# Altium PCB MiroCard.PcbDoc (part 1 of 2)
Units mm, origin at the board's own origin, x right, y up, seen from the top; angles counter-clockwise.
Board outline 65.5 x 35.8 mm, 4 copper layers (Top Layer, GND1, GND2, Bottom Layer), stack 0.552 mm thick; 115 components, 75 nets, 402 pads, 778 vias.
Unrouted connection lines stored in the file: 3.
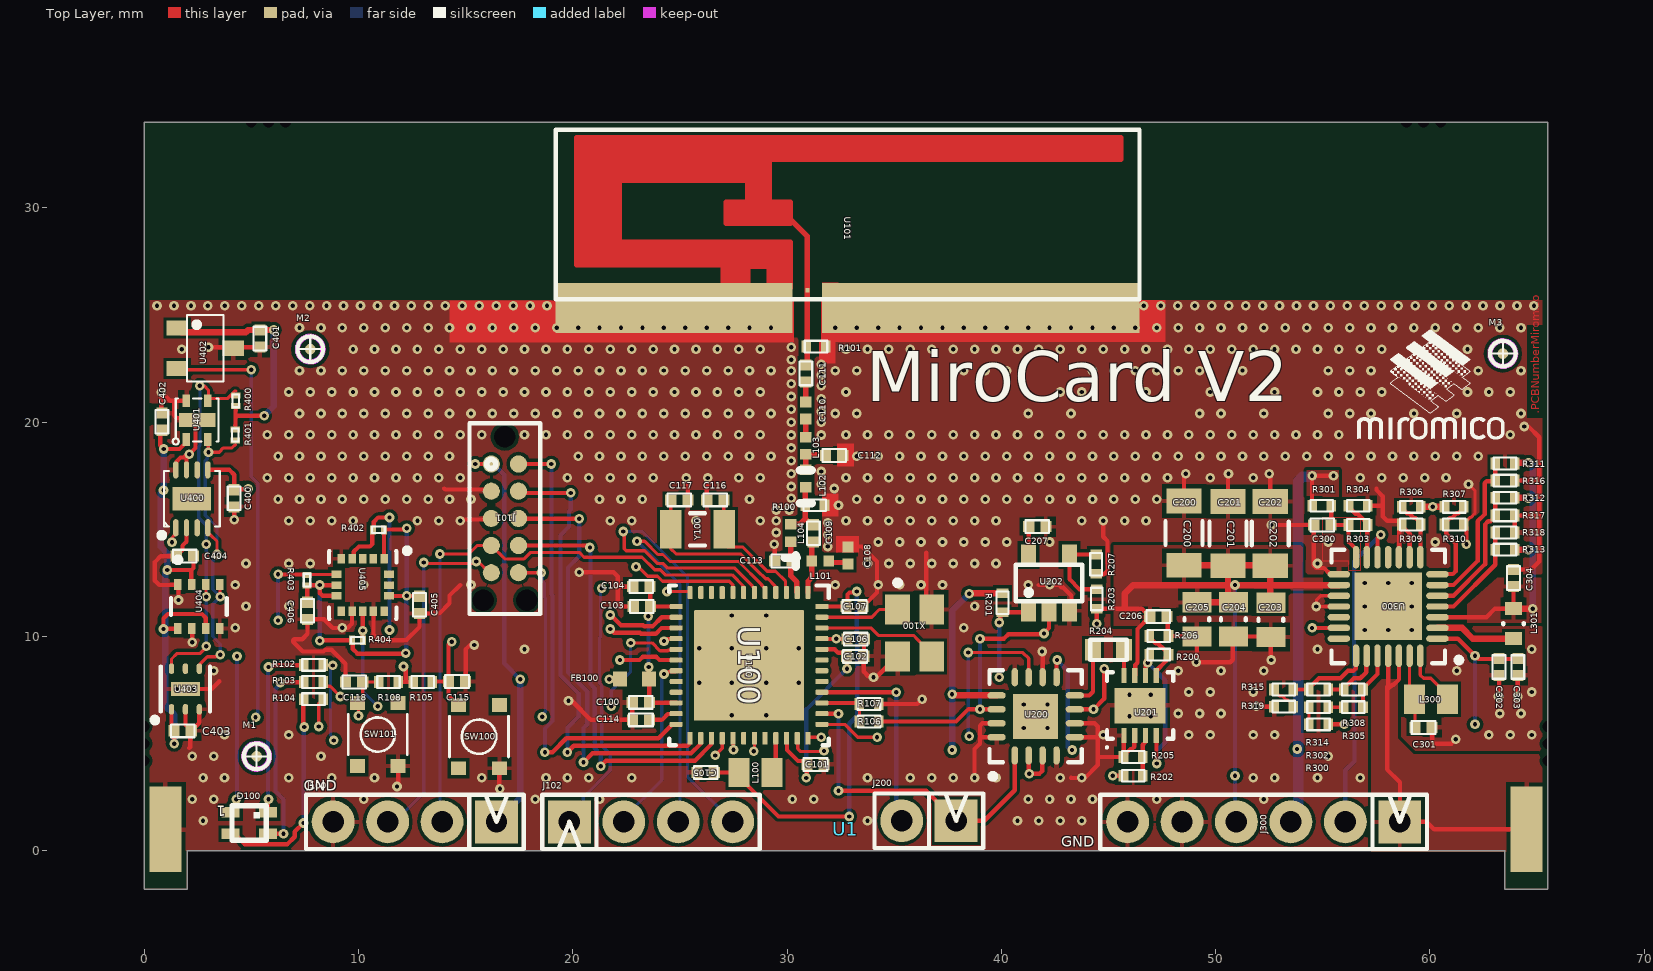
[diagram p0: Top Layer view]
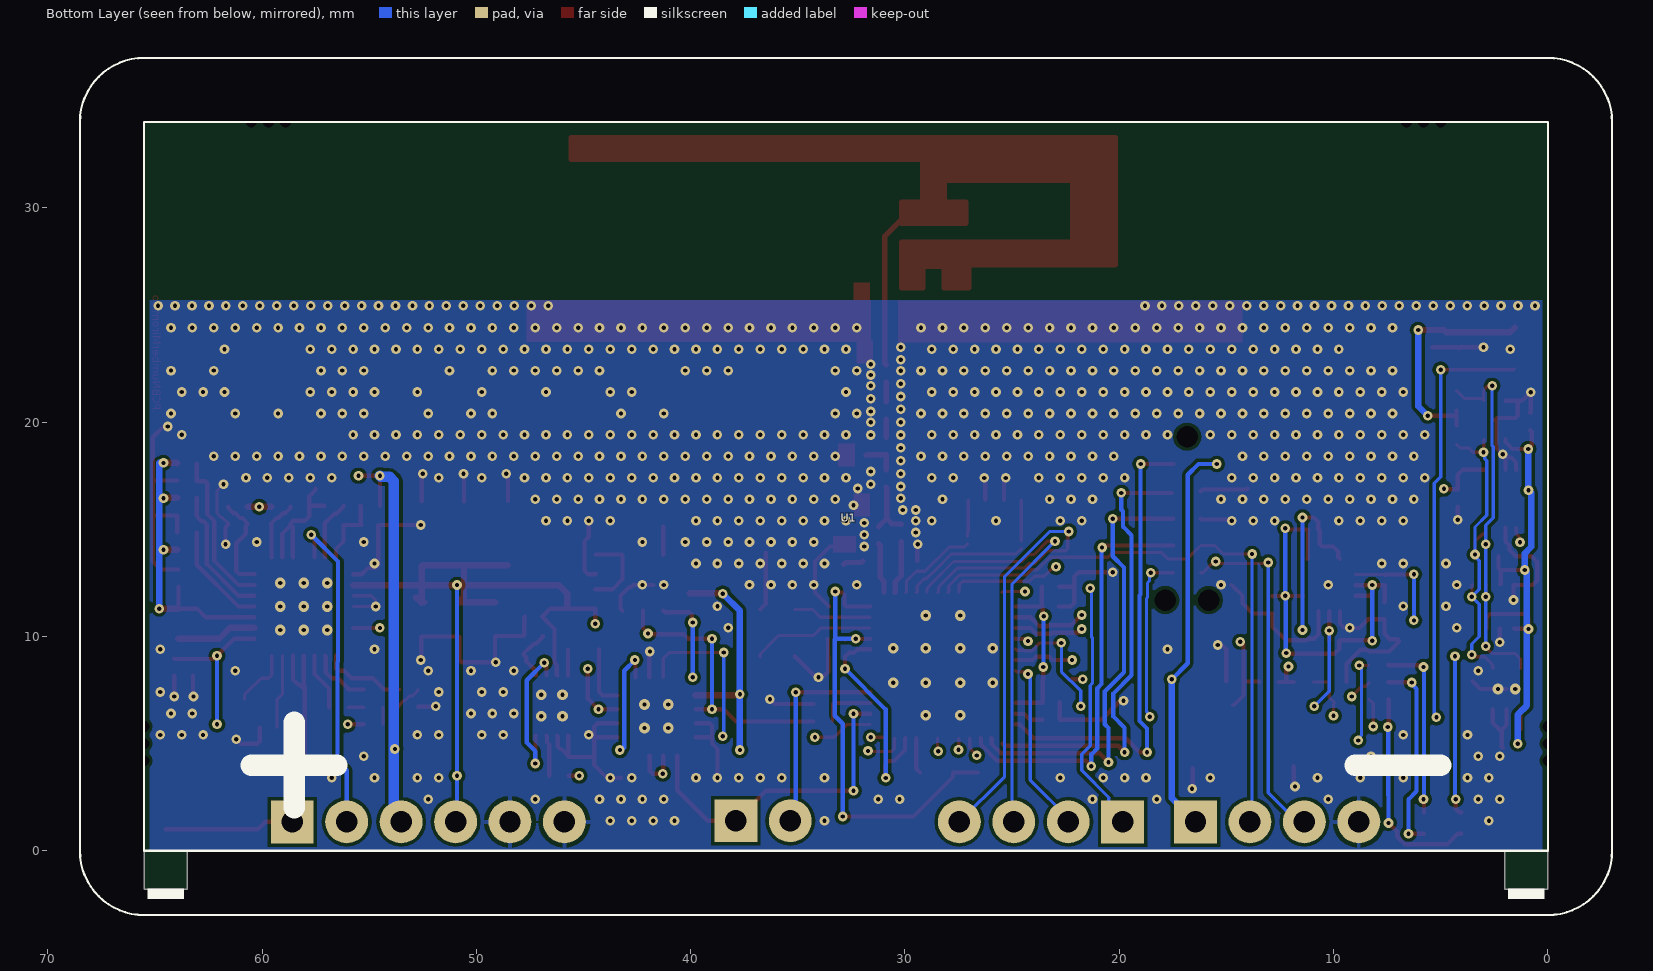
[diagram p1: Bottom Layer view, seen from below]
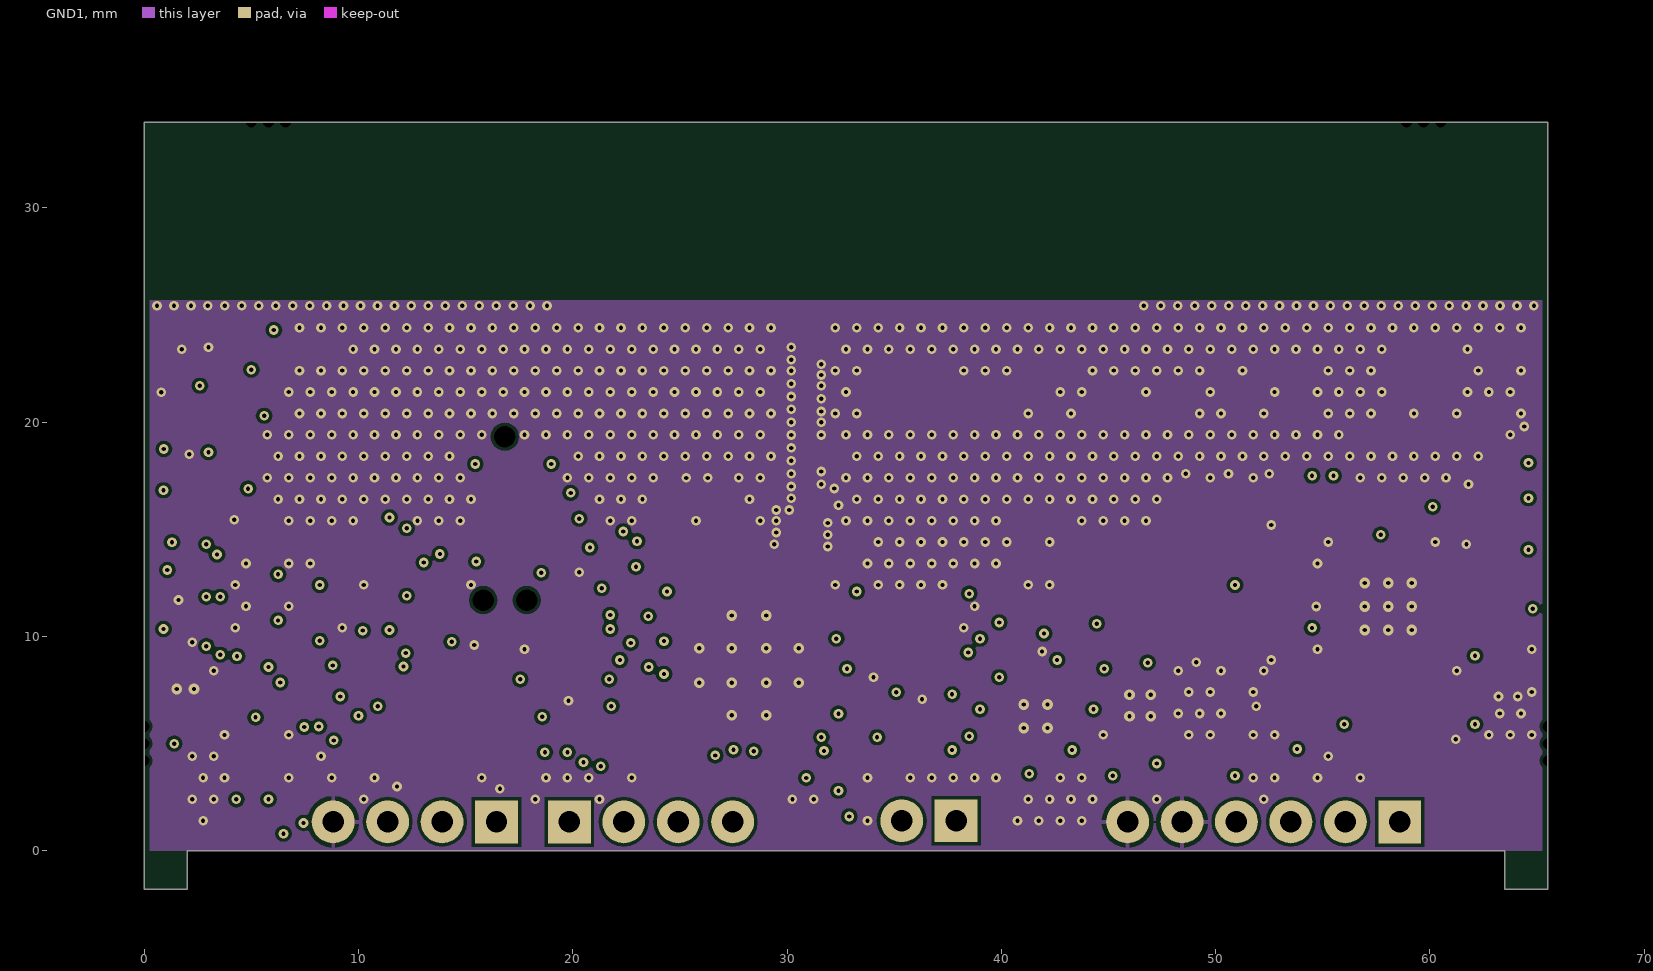
[diagram p2: GND1]
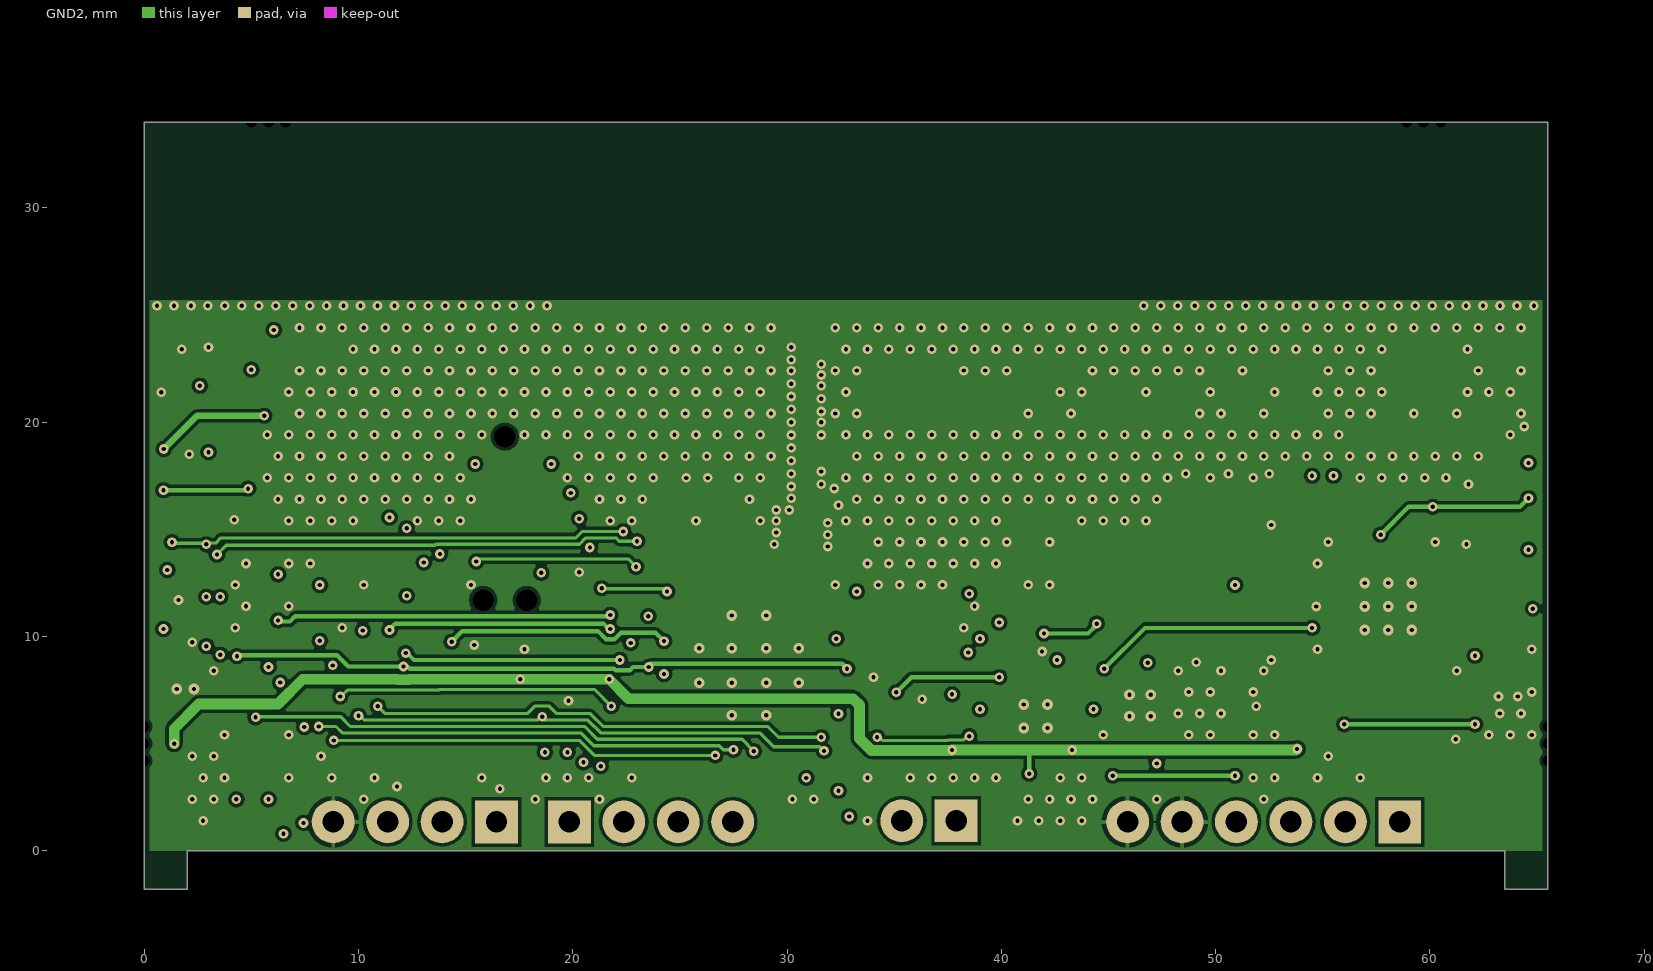
[diagram p3: GND2]
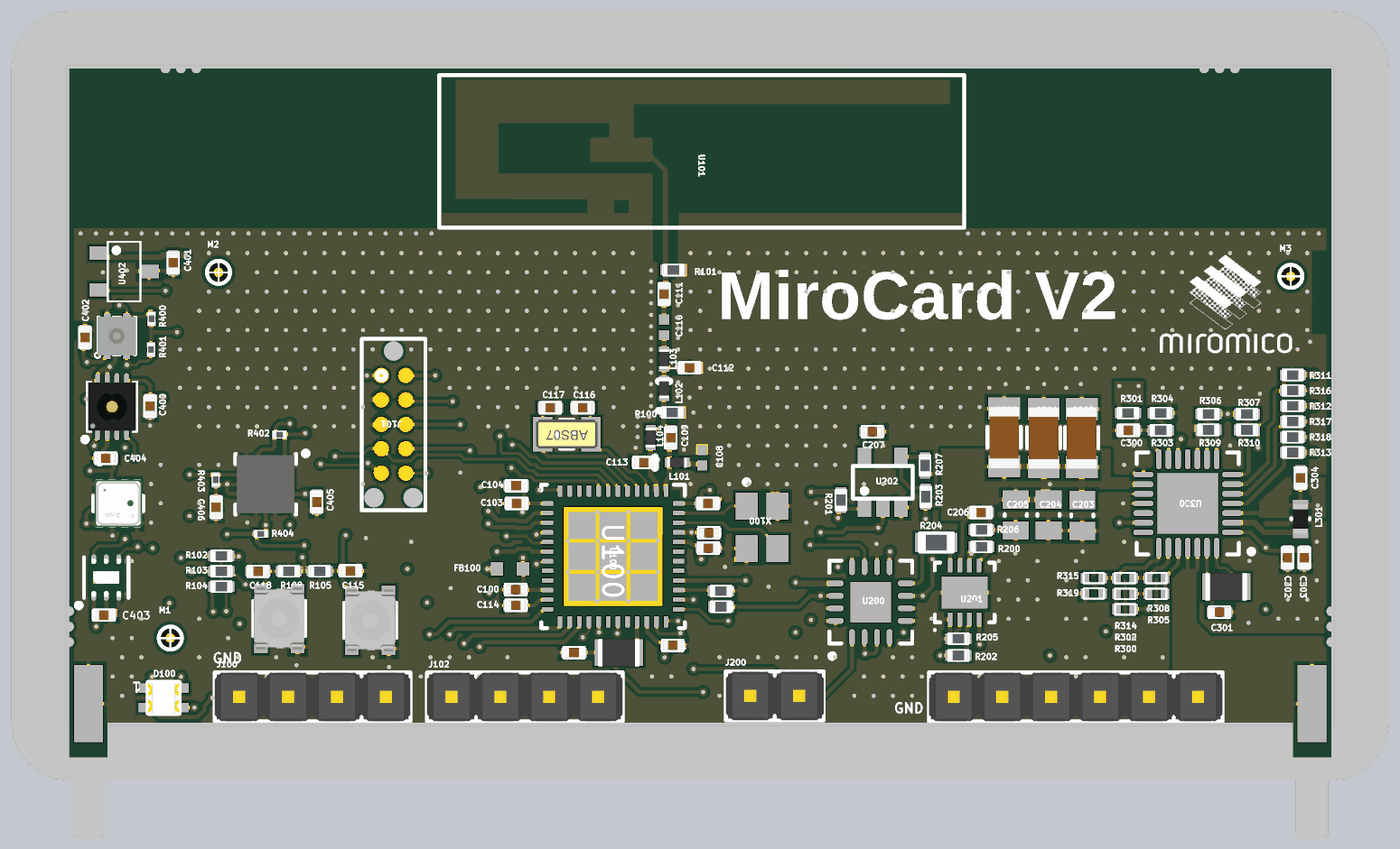
[diagram p5: 3D render of the assembled board from above, using the file's embedded part models]

## Layer stack, top to bottom
Top Solder: solder mask 0.01, Solder Resist, Dk 3.5
Top Layer: signal copper 0.018
Dielectric 1: prepreg 0.07, 1080, Dk 4.6
Dielectric 2: prepreg 0.07, 1080, Dk 4.6
GND1: signal copper 0.018
Core: core 0.2, 1080, Dk 4.6
GND2: signal copper 0.018
Dielectric 3: prepreg 0.07, 1080, Dk 4.6
Dielectric 4: prepreg 0.07, 1080, Dk 4.6
Bottom Layer: signal copper 0.018
Bottom Solder: solder mask 0.01, Solder Resist, Dk 3.5

## Board outline
0,-1.8 0,34 65.5,34 65.5,-1.8 63.5,-1.8 63.5,0 2,0 2,-1.8

## Design rules (kind name [scope] priority, off if disabled: settings)
BoardOutlineClearance BoardOutlineClearance_Seperator [All] p1: gap=0 ignorepadtopadclearanceinfootprint=FALSE
BoardOutlineClearance [Not OnLayer('Top Overlay', 'Bottom Overlay', 'Mechanical 15')] p2: gap=0.2 ignorepadtopadclearanceinfootprint=FALSE
Clearance [All] p1: gap=0.15 ignorepadtopadclearanceinfootprint=FALSE
ComponentClearance [Not InComponent('U1','J100','J102', 'J200', 'J300')] p1: gap=0.25 collisioncheckmode=3 verticalgap=0.25 showdistances=FALSE
HoleSize [All] p1: absolutevalues=TRUE maxlimit=5 minlimit=0.025 maxpercent=80.000 minpercent=20.000
MinimumSolderMaskSliver [All] p1: minsoldermaskwidth=0.09
PlaneClearance [All] p1: clearance=0.25
PlaneConnect PlaneConnect_1 [IsVia] p1: planeconnectstyle=Direct reliefexpansion=0.508 reliefentries=4 reliefconductorwidth=0.254 reliefairgap=0.254
PlaneConnect [All] p2: planeconnectstyle=Relief reliefexpansion=0.254 reliefentries=4 reliefconductorwidth=0.254 reliefairgap=0.254
PolygonConnect PolygonConnect_VIA [IsVia] p1: connectstyle=Direct reliefconductorwidth=0.254 reliefentries=4 polygonreliefangle="90 Angle" airgapwidth=0.254
PolygonConnect [All] p2: connectstyle=Relief reliefconductorwidth=0.2 reliefentries=4 polygonreliefangle="90 Angle" airgapwidth=0.2
RoutingVias [All] p1: holewidth=0.2 width=0.45 viastyle="Through Hole" minholewidth=0.2 minwidth=0.45 maxholewidth=0.2 maxwidth=1
SilkToSilkClearance [All] p1: silktosilkclearance=0
SilkToSolderMaskClearance [All] p1: minsilkscreentomaskgap=0 clearancetoexposedcopper=TRUE
SolderMaskExpansion [All] p1: expansion=0.051
Width Width_ANT [InNetClass('ANT')] p1: maxlimit=0.25 minlimit=0.25 preferedwidth=0.25
Width [All] p2: maxlimit=1 minlimit=0.15 preferedwidth=0.15
23 further rules are at their usual default settings.

## Classes and differential pairs
pad class Seperator: Free-0
component class "00 - Overview": M1 M2 M3 U1
component class U_AEM10941: C300 C301 C302 C303 C304 J300 L300 L301 R300 R301 R302 R303 R304 R305 R306 R307 R308 R309 R310 R311 R312 R313 R314 R315 R316 R317 R318 R319 U300
net class Ant: NetC108_1 NetC109_1 NetC109_2 NetC110_1 NetC110_2 NetC111_1 NetC112_1 NetC113_1
component class Sensors: C400 C401 C402 C403 C404 C405 C406 I2C R400 R401 R402 R403 R404 U400 U401 U402 U403 U404 U405
component class EMU: C200 C201 C202 C203 C204 C205 C206 C207 J200 R200 R201 R202 R203 R204 R205 R206 R207 U200 U201 U202
component class CC2650: C100 C101 C102 C103 C104 C105 C106 C107 C108 C109 C110 C111 C112 C113 C114 C115 C116 C117 C118 D100 FB100 J100 J101 J102 L100 L101 L102 L103 L104 "P5 JTAG" R100 R101 R102 R103 R104 R105 R106 R107 R108 SW100 SW101 U100 U101 X100 Y100

## Components (designator, comment, footprint, x,y, rotation, side; value= is the part's Value field where it differs from the comment)
C100 "GRM155R61C104KA88D" CAPC0402(1005)60_L 23.175,6.925 r180 top
C101 "GRM155R61C104KA88D" CAPC0402(1005)60_L 31.325,4.025 r0 top
C102 "GRM155R61C104KA88D" CAPC0402(1005)60_L 33.175,9.075 r0 top
C103 "GRM155R61C104KA88D" CAPC0402(1005)60_L 23.225,11.4 r180 top
C104 "GRJ155R60J106ME11D" CAPC0402(1005)60_L 23.2,12.325 r180 top
C105 "GRJ155R60J106ME11D" CAPC0402(1005)60_L 26.2,3.65 r180 top
C106 "GRM155R61C104KA88D" CAPC0402(1005)60_L 33.2,9.875 r0 top
C107 "GRM155R61C104KA88D" CAPC0402(1005)60_L 33.15,11.4 r0 top
C108 "CAP 6.8pF 10V 0402(1005)" CAPC0402(1005)60_L 32.85,13.775 r90 top value=6.8pF
C109 "GRM1555C1H1R0BA01D" CAPC0402(1005)60_L 31.225,14.815 r270 top
C110 "CAP 12pF 10V 0402(1005)" CAPC0402(1005)60_L 30.875,20.55 r90 top value=12pF
C111 "GRM1555C1H1R8BA01D" CAPC0402(1005)60_L 30.875,22.275 r270 top
C112 "GRM1555C1H1R0BA01D" CAPC0402(1005)60_L 32.2,18.45 r0 top
C113 "GRM1555C1H1R0BA01D" CAPC0402(1005)60_L 29.825,13.525 r180 top
C114 "GRM155R70J105KA12J" CAPC0402(1005)60_L 23.181,6.109 r180 top
C115 "GRM155R61C104KA88D" CAPC0402(1005)60_L 14.6,7.9 r0 top
C116 "GRM1555C1H120JA01D" CAPC0402(1005)60_L 26.65,16.375 r180 top
C117 "GRM1555C1H120JA01D" CAPC0402(1005)60_L 24.975,16.375 r0 top
C118 "GRM155R61C104KA88D" CAPC0402(1005)60_L 9.8,7.875 r180 top
C200 "CAP 100uF 10V 1206(3216)" CAPC1206(3216)145_N 48.525,14.825 r270 top value=100uF
C201 "CAP 100uF 10V 1206(3216)" CAPC1206(3216)145_N 50.575,14.8 r270 top value=100uF
C202 "CAP 100uF 10V 1206(3216)" CAPC1206(3216)145_N 52.55,14.8 r270 top value=100uF
C203 "CAP 47uF 6.3V 0805(2012)" CAPC0805(2012)95_L 52.575,10.775 r270 top value=47uF
C204 "CAP 47uF 6.3V 0805(2012)" CAPC0805(2012)95_L 50.825,10.8 r270 top value=47uF
C205 "CAP 47uF 6.3V 0805(2012)" CAPC0805(2012)95_L 49.125,10.8 r270 top value=47uF
C206 "GRM155R61C104KA88D" CAPC0402(1005)60_L 47.325,10.925 r0 top
C207 "GRM155R70J105KA12J" CAPC0402(1005)60_L 41.675,15.125 r0 top
C300 "GRJ155R60J106ME11D" CAPC0402(1005)60_L 54.975,15.2 r180 top
C301 "GRJ155R60J106ME11D" CAPC0402(1005)60_L 59.7,5.75 r0 top
C302 "GRJ155R60J106ME11D" CAPC0402(1005)60_L 63.225,8.575 r270 top
C303 "GRJ155R60J106ME11D" CAPC0402(1005)60_L 64.1,8.575 r270 top
C304 "GRJ155R60J106ME11D" CAPC0402(1005)60_L 63.9,12.725 r90 top
C400 "GRM155R71E104KE14J" CAPC0402(1005)60_L 4.2,16.45 r270 top
C401 "GRM155R61C104KA88D" CAPC0402(1005)60_L 5.4,23.9 r270 top
C402 "GRM155R71E104KE14J" CAPC0402(1005)60_L 0.825,20.025 r90 top
C403 "GRM155R71E104KE14J" CAPC0402(1005)60_L 1.8,5.6 r0 top
C404 "GRM155R71E104KE14J" CAPC0402(1005)60_L 1.9,13.75 r180 top
C405 "GRM155R71E104KE14J" CAPC0402(1005)60_L 12.85,11.475 r270 top
C406 "GRJ155R60J106ME11D" CAPC0402(1005)60_L 7.625,11.2 r270 top
D100 "APTF1616LSEEZGKQBKC" APTF1616LSEEZGKQBKC 4.9,1.3 r180 top
FB100 "BLM18HE152SN1D" MURA-BLM18-RF-H4-CHIP-2_V 22.881,8.009 r0 top
J100 "HDR1x4" HDR1x4 12.63,1.35 r180 top
J101 "TC2050-IDC" TC2050-IDC-NL-10 16.834,15.51 r270 top
J102 "HDR1x4" HDR1x4 23.65,1.35 r0 top
J200 "HDR1x2" HDR1x2 36.62,1.4 r180 top
J300 "HDR1x6" HDR1x6 52.24,1.35 r180 top
L100 "CKS2125100M-T" INDC0805(2012)X11_L 28.525,3.65 r180 top
L101 "LQG15HS2N4S02D" INDC1005X55X25LL05T10_A 31.55,13.525 r0 top
L102 "LQG15HS2N4S02D" INDC1005X55X25LL05T10_A 30.875,17.375 r90 top
L103 "LQG15HS2N4S02D" INDC1005X55X25LL05T10_A 30.875,18.9 r90 top
L104 "LQG15HS2N4S02D" INDC1005X55X25LL05T10_A 30.175,14.825 r90 top
L300 "CKS2125100M-T" INDC0805(2012)X11_L 60.05,7.075 r180 top
L301 "MLZ1608M100WT000" FP-MLZ1608-MFG 63.9,10.6 r90 top value=10uH
M1 "Fiducial Round" "Fiducial round_small" 5.25,4.407 r0 top
M2 "Fiducial Round" "Fiducial round_small" 7.75,23.407 r0 top
M3 "Fiducial Round" "Fiducial round_small" 63.4,23.2 r0 top
R100 "CRCW04021R60FKED" RESC0402(1005)_L 31.3,16.125 r0 top
R101 "CRCW04021R60FKED" RESC0402(1005)_L 31.35,23.525 r0 top
R102 "RMCF0402FT300R" RESC0402(1005)_L 7.9,8.675 r0 top
R103 "RMCF0402FT300R" RESC0402(1005)_L 7.9,7.875 r0 top
R104 "RMCF0402FT300R" RESC0402(1005)_L 7.9,7.075 r0 top
R105 "RMCF0402FT100K" RESC0402(1005)_L 13,7.875 r0 top
R106 "RMCF0402FT1M00" RESC0402(1005)_L 33.831,6.034 r0 top
R107 "RMCF0402FT1M00" RESC0402(1005)_L 33.823,6.85 r0 top
R108 "RMCF0402FT100K" RESC0402(1005)_L 11.4,7.875 r180 top
R200 "PFR05S-153-FNH" RESC0402(1005)_L 47.35,9.15 r0 top
R201 "RMCF0402FT100K" RESC0402(1005)_L 40.05,11.575 r270 top
R202 "CRCW04023M16FKED" RESC0402(1005)_L 46.15,3.5 r0 top
R203 "RMCF0402FT100K" RESC0402(1005)_L 44.45,11.75 r90 top
R204 "RMCF0603ZT0R00" RESC0603(1608)_L 45,9.375 r0 top
R205 "RMCF0402FT1M18" RESC0402(1005)_L 46.15,4.375 r180 top
R206 "RMCF0402FT2M40" RESC0402(1005)_L 47.35,10.025 r0 top
R207 "RMCF0402FT100K" RESC0402(1005)_L 44.425,13.375 r270 top
R300 "10M" RESC0402(1005)_L 54.8,5.9 r180 top
R301 "RMCF0402ZT0R00" RESC0402(1005)_L 54.95,16.1 r0 top
R302 "10M" RESC0402(1005)_L 54.8,6.7 r0 top
R303 "CRCW04025M49FKED" RESC0402(1005)_L 56.65,15.2 r0 top
R304 "CRCW04024M42FKED" RESC0402(1005)_L 56.65,16.1 r0 top
R305 "10M" RESC0402(1005)_L 56.425,6.7 r0 top
R306 "RMCF0402ZT0R00" RESC0402(1005)_L 59.125,16.05 r180 top
R307 "RMCF0402ZT0R00" RESC0402(1005)_L 61.125,16.05 r0 top
R308 "1M6" RESC0402(1005)_L 56.425,7.525 r180 top
R309 "RMCF0402ZT0R00" RESC0402(1005)_L 59.125,15.225 r180 top
R310 "RMCF0402ZT0R00" RESC0402(1005)_L 61.125,15.225 r0 top
R311 "RMCF0402ZT0R00" RESC0402(1005)_L 63.5,18.075 r180 top
R312 "RMCF0402ZT0R00" RESC0402(1005)_L 63.5,16.475 r180 top
R313 "RMCF0402ZT0R00" RESC0402(1005)_L 63.5,14.05 r180 top
R314 "8M2" RESC0402(1005)_L 54.797,7.525 r180 top
R315 "1M" RESC0402(1005)_L 53.175,7.525 r180 top
R316 "RMCF0402ZT0R00" RESC0402(1005)_L 63.5,17.275 r0 top
R317 "RMCF0402ZT0R00" RESC0402(1005)_L 63.5,15.65 r0 top
R318 "RMCF0402ZT0R00" RESC0402(1005)_L 63.5,14.85 r0 top
R319 "10M" RESC0402(1005)_L 53.175,6.725 r180 top
R400 "AC0402FR-0710KL" RESC0201(0603)_L 4.275,21 r90 top
R401 "AC0402FR-0710KL" RESC0201(0603)_L 4.25,19.4 r270 top
R402 "AC0402FR-0710KL" RESC0201(0603)_L 10.925,14.975 r180 top
R403 "AC0402FR-0710KL" RESC0201(0603)_L 7.6,12.625 r90 top
R404 "AC0402FR-0710KL" RESC0201(0603)_L 9.95,9.825 r0 top
SW100 "KMT021NGJLHS" KMT021NGJLHS-Footprint-1 15.625,5.325 r90 top
SW101 "KMT021NGJLHS" KMT021NGJLHS-Footprint-1 10.9,5.425 r90 top
U1 "LEH3_50x30_6_10" "50x30 Flat 6 Cell - Gen 2-Footprint-1" 64.5,1 r180 bottom locked
U100 "CC2650F128RGZR" RGZ0048A_V 28.225,8.65 r270 top
U101 "Antenna Patch" "2.4GHz Inverted F Antenna" 30.95,26.15 r0 top net-tie
U200 "ADG659YCPZ-REEL7" CP-16-4_L 41.6,6.275 r90 top
U201 "LTC1540IDD#TRPBF" LT-DD8_V 46.475,6.775 r90 top
U202 "TLV840XXDH43DBVR" "SOT23-5 SOT-23-5" 42.225,12.5 r90 top
U300 "AEM10941" QFN50P500X500X85_HS-29N 58.05,11.4 r180 top
U400 "SHT31-DIS-B" "8  -  Pin DFN 2.5  x  2.5  mm x 0.9 mm" 2.225,16.425 r90 top
U401 "SHTC3" SHTC1-Footprint-1 2.475,20.1 r90 top
U402 "DRV5032FBDBZR" SOT23-3 2.85,23.45 r180 top
U403 "OPT3001DNPR" FP-DNP0006A-MFG 1.925,7.55 r90 top
U404 "BME280" FP-BME280-MFG 2.55,11.4 r90 top
U405 "LIS3DHTR" FP-LGA-16-7983231-MFG 10.2,12.4 r270 top
X100 "TSX-3225 24.0000MF15X-AC3" EPSON-TSX-3225_V 35.956,10.159 r270 top
Y100 "ABS07-120-32.768KHZ-T" ABRA-ABS07_A_V 25.825,15 r180 top
